# Altium PCB DM4K.pcbdoc (part 2 of 4)
Units mil, origin at the board's own origin, x right, y up, seen from the top; angles counter-clockwise.
Board outline 5262.35 x 2895 mil, 2 copper layers (Top Layer, Bottom Layer); 168 components, 255 nets, 1031 pads, 423 vias.
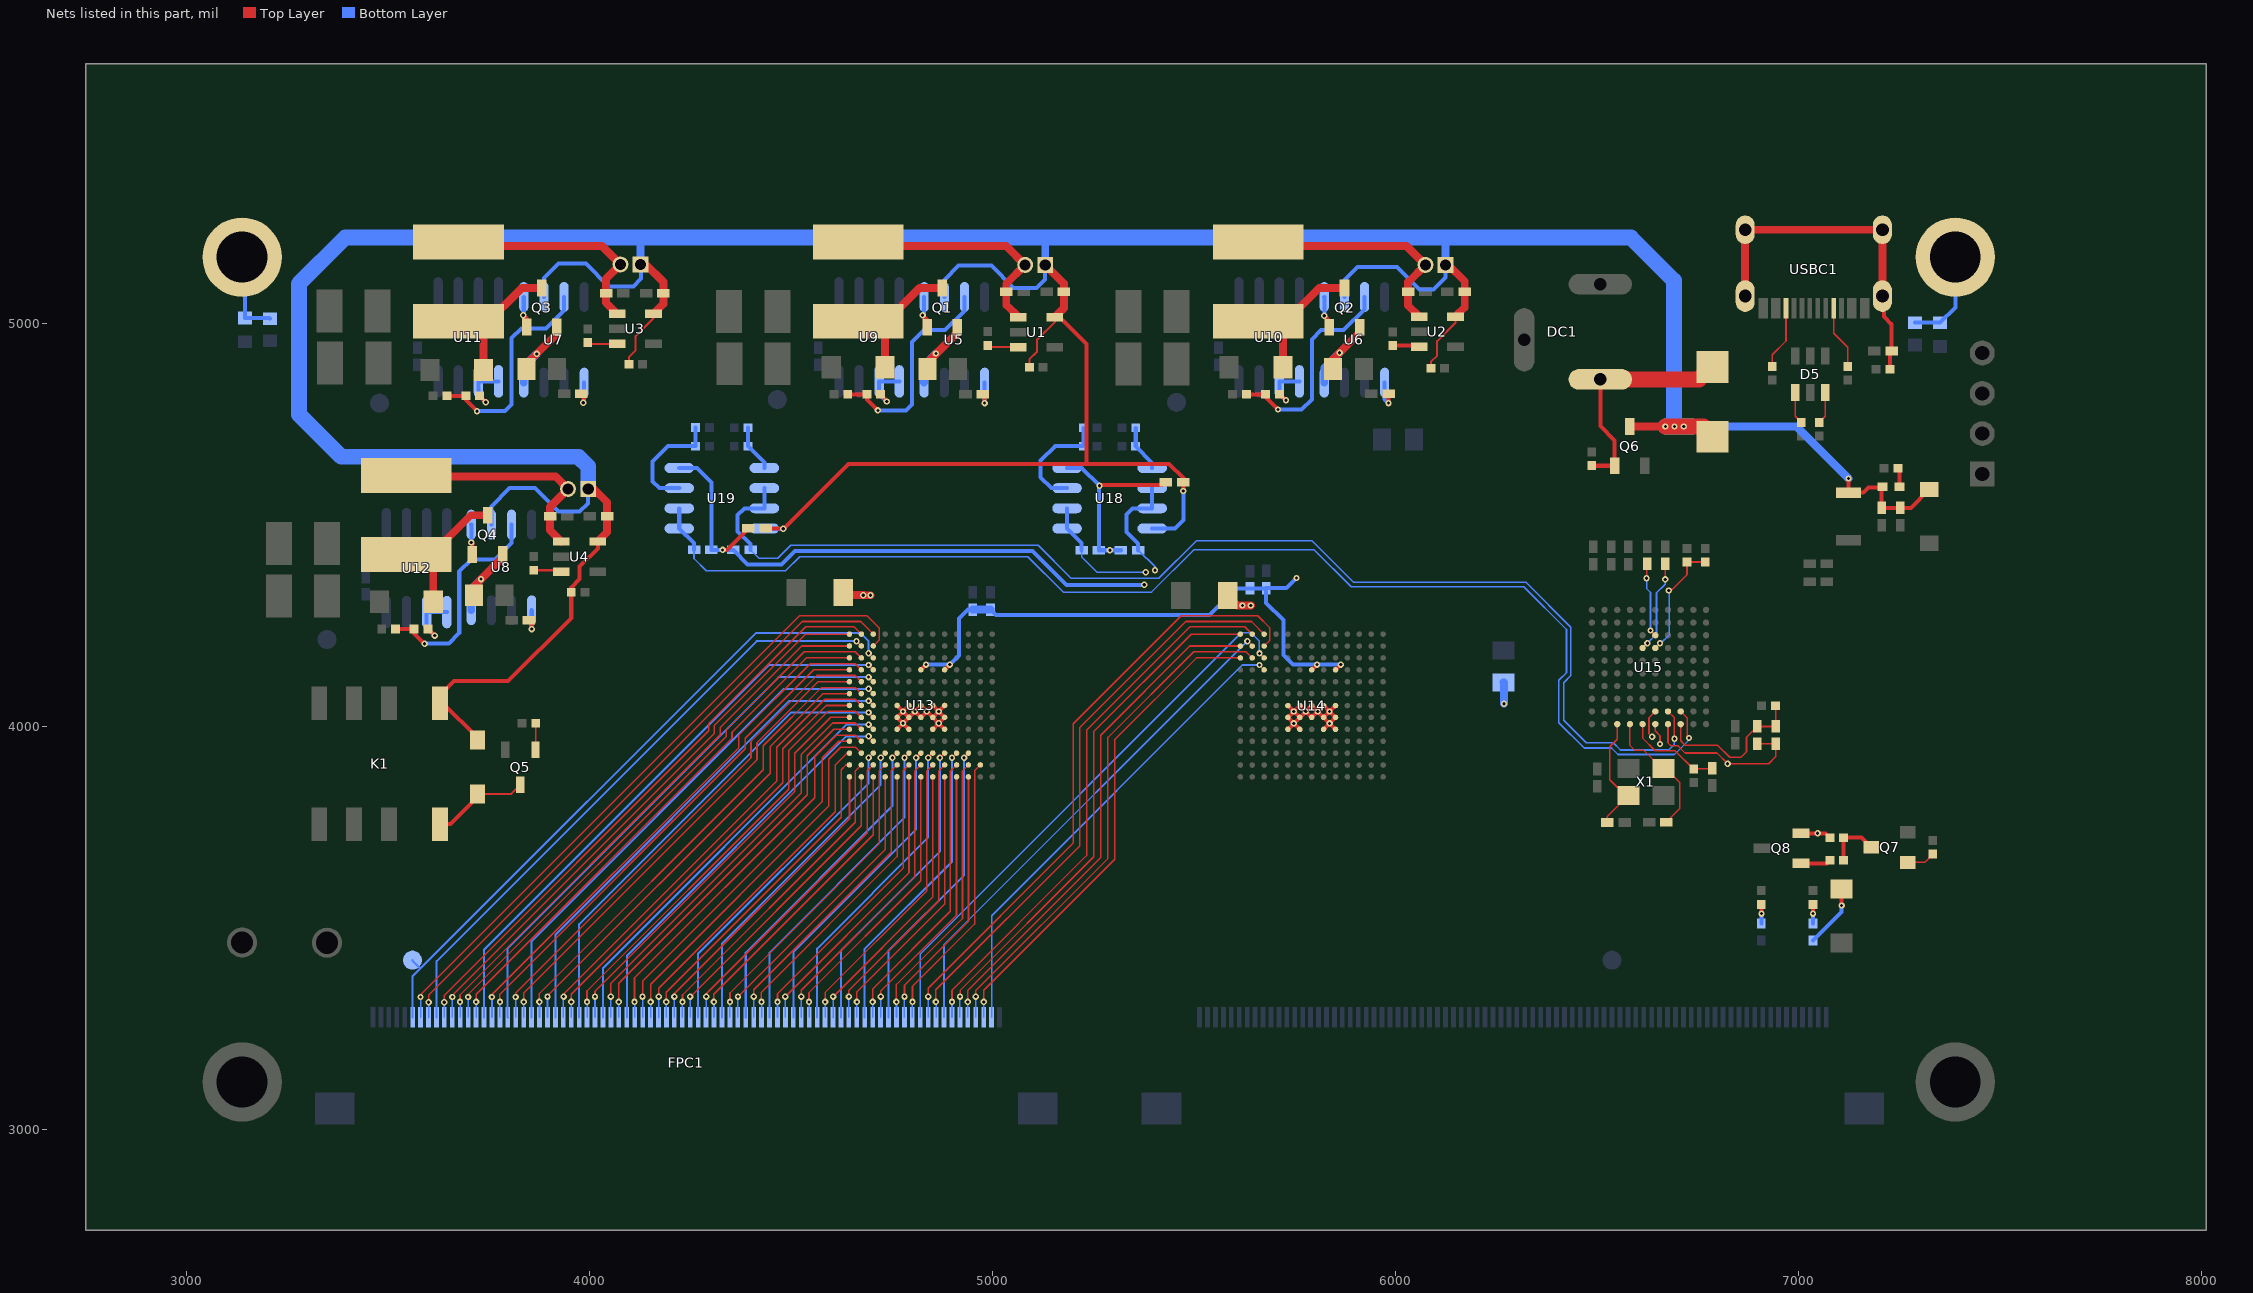
[diagram p2: the nets of this part, all layers, seen from the top]

## Via types
v1: diameter 15.75, hole 7.87, Top Layer to Bottom Layer, 258 vias
v2: diameter 15.75, hole 7.91, Top Layer to Bottom Layer, 165 vias

## Nets (pads, with @x,y where several pads share a name; then routed paths per layer and width w, separated by ;. In a path a pad name is that pad's centre, name@x,y a point inside that pad or via, vN(x,y) a via of type N, cw(c..) or ccw(c..) an arc to the next point about the centre after c; other vN are vias at no path point) (continued)
5V: C1.2 C2.2 C3.2 C4.2 C29.2 C30.2 C31.2 C32.2 C40.2 C41.2 C50.1 C51.1 D6.1 D7.1 D9.1 H1.1 H2.1 H3.1 H4.1 K1.1 LED1.2 Q6.3 Q8.2 R1.2 R2.2 R3.2 R4.2 R52.2 U1.5 U2.5 U3.5 U4.5 U5.2 U6.2 U7.2 U8.2 U13.K5 U13.K7 U14.K5 U14.K7 U16.3 U18.8 U19.8 | length 14952.9
  Top Layer w5: R3.2@4097.61,4899.15 4097.61,4916.92 4114.69,4934 4114.69,4969 4158.84,5013.16 U3.5@4158.84,5024.85 ; R1.2@5091.69,4892.55 5091.69,4911.72 5110.69,4930.71 5110.69,4960 5154.89,5004.21 U1.5@5154.89,5016.65 ; R2.2@6088.32,4889.78 6088.31,4905.41 6103.69,4920.78 6103.69,4957 6149.41,5002.72 U2.5@6149.41,5017.73
  Top Layer w10: D7.1@3722.02,3967.07 3722.02,3972.67 3636.68,4058.01 K1.1@3628.51,4058.01 3628.51,4077.83 3663.69,4113 3797.69,4113 3954.72,4270.04 R4.2@3954.72,4333.54 3954.72,4345.04 3975.69,4366 3975.69,4397 4020.5,4441.82 U4.5@4020.5,4459.52 ; C50.1@4437.27,4492.24 4482.92,4492.24 4642.69,4652 5233.99,4652 ; U13.K7@4822.38,4141.14 v1(4835.18,4153.94) ; U13.K5@4881.43,4141.14 v1(4894.23,4153.94) ; U1.5@5154.89,5016.65 5167.03,5016.65 5233.99,4949.7 5233.99,4652 ; v2(5473.69,4585) 5473.69,4598.82 5473.69,4617 5438.69,4652 5233.99,4652 ; U14.K7@5792.47,4140.99 5805.42,4153.94 v1(5805.64,4153.94) ; U14.K5@5851.52,4140.99 5864.48,4153.94 v1(5864.7,4153.94) ; Q8.2@7007.04,3735.4 v2(7047.98,3735.4) 7068,3735.4 R52.2@7078.65,3724.76 ; v1(7124.69,4616) 7124.69,4581.18 U16.3@7124.36,4580.85 7161.35,4580.85 7174.03,4593.53 LED1.2@7206.91,4593.53 ; LED1.2@7209.23,4595.84 LED1.2@7206.91,4593.53 ; D6.1@7325.08,4588.43 7279.91,4543.25 C40.2@7253.23,4543.25 7206.91,4543.25 LED1.2@7206.91,4593.53
  Top Layer w19.68: H4.1@3996.76,4589.94 4010.75,4589.94 4043.8,4556.88 C4.2@4043.8,4522.11 4043.8,4482.82 U4.5@4020.5,4459.52 ; H3.1@4126.87,5147.22 4139.42,5147.22 4183.35,5103.29 C3.2@4183.35,5075.29 4183.35,5049.36 U3.5@4158.84,5024.85 ; H1.1@5131.15,5146 5177.59,5099.56 C1.2@5177.59,5079.37 5177.59,5039.35 U1.5@5154.89,5016.65 ; H2.1@6124.69,5146 6131.6,5146 6172.31,5105.29 C2.2@6172.31,5079.48 6172.31,5040.63 U2.5@6149.41,5017.73 ; Q6.3@6581.52,4744.8 v2(6670.16,4744.8)
  Top Layer w39.37: v2(6670.16,4744.8) v2(6692.96,4744.8) v2(6715.79,4744.8) 6764.54,4744.8 D9.1@6786.94,4722.39
  Inner2 w19.68: v2(5754.69,4369) 5911.69,4369 6108.69,4566 6342.69,4566 6408.69,4632 6554.92,4632 6667.72,4744.8 v2(6692.96,4744.8) ; v2@7047.69,3736 7124.69,3813 v1(7124.69,4616)
  Bottom Layer w10: U8.2@3756.49,4501.41 3756.49,4546.81 3801.69,4592 3864.69,4592 3922.69,4534 3975.69,4534 3995.69,4554 3995.69,4588.86 H4.1@3996.76,4589.94 ; U7.2@3886.8,5066.4 3886.8,5113.11 3922.69,5149 3991.69,5149 4047.69,5093 4108.69,5093 4127.69,5112 4127.69,5146.4 H3.1@4126.87,5147.22 ; U19.8@4433.93,4492.01 4434.93,4491.01 v2(4480.69,4491) ; v1(4835.18,4153.94) v1(4894.23,4153.94) 4916.9,4176.53 4916.9,4268.13 4939.4,4290.63 C30.2@4950.6,4290.63 ; U5.2@4880.66,5066.4 4880.66,5108.57 4916.09,5144 4997.69,5144 5052.69,5089 5109.69,5089 5130.69,5110 5130.69,5145.53 H1.1@5131.15,5146 ; C29.2@4995.3,4290.63 5008.94,4277 5538.81,4277 5604.94,4343.13 C31.2@5639.32,4343.11 ; U18.8@5396.51,4492.01 5452.69,4492.01 5473.69,4513 v2(5473.69,4585) ; C31.2@5639.32,4343.11 5678.68,4343.11 C32.2@5679.18,4343.61 ; v2(5754.69,4369) 5729.29,4343.6 C32.2@5679.18,4343.61 5679.2,4307.48 5722,4264.68 5722,4177.53 5745.6,4153.93 v1(5805.64,4153.94) ; v1(5805.64,4153.94) v1(5864.7,4153.94) ; U6.2@5873.57,5066.4 5873.57,5108.57 5906,5141 6003.69,5141 6059.69,5085 6094.69,5085 6124.69,5115 H2.1@6124.69,5146
  Bottom Layer w19.68: H3.1@4126.87,5147.22 4126.87,5214 ; C30.2@4950.6,4290.63 C29.2@4995.3,4290.63 ; 5129.74,5214 5131.15,5212.59 H1.1@5131.15,5146 ; H2.1@6124.69,5146 6124.69,5214 ; 6736.85,4744.8 6995.89,4744.8 v1(7124.69,4616)
  Bottom Layer w39.37: H4.1@3996.76,4589.94 3996.76,4645.62 3972.38,4670 3383.69,4670 3278.69,4775 3278.69,5099 3393.69,5214 4126.87,5214 5129.74,5214 6124.69,5214 6584.69,5214 6691.69,5107 6691.69,4746.07 v2(6692.96,4744.8) ; v2(6670.16,4744.8) v2(6692.96,4744.8) ; 6736.85,4744.8 v2(6715.79,4744.8) v2(6692.96,4744.8)
$1N3951: R23.1 R24.2 U18.3 | length 283.9
  Bottom Layer w10: U18.3@5185.29,4592.01 5146.69,4592 5119.69,4619 5119.69,4660 5155.95,4696.26 R24.2@5225.57,4696.26 R23.1@5225.58,4741.54
$1N3952: R25.1 R26.2 U18.5 | length 117
  Bottom Layer w10: R25.1@5355.73,4741.66 5355.73,4696.8 R26.2@5355.19,4696.26 5396.51,4654.95 U18.5@5396.51,4642.01
$1N3965: R27.1 R28.2 U19.5 | length 117.4
  Bottom Layer w10: R28.2@4393.36,4696.27 4433.93,4655.69 U19.5@4433.93,4642.01 ; R28.2@4393.34,4696.28 R27.1@4393.34,4742.65
$1N3974: D1.1 L1.2 Q1.3 | length 348.2
  Top Layer w19.68: L1.2@4667.1,4996.22 L1.2@4733.81,4996.22 ; D1.1@4733.81,4891.89 L1.2@4733.81,4996.22 ; Q1.3@4868.69,5088.52 4819.2,5088.52 4733.81,5003.13 L1.2@4733.81,4996.22
$1N3982: C5.2 H1.2 L1.1 U1.1 | length 594.8
  Top Layer w19.68: L1.1@4667.1,5193.07 5034.08,5193.07 H1.2@5081.15,5146 5034.28,5099.13 C5.2@5034.28,5079.38 5034.28,5046.91 U1.1@5064.53,5016.65
$1N3985: R16.2 U9.5 U9.6 | length 131.7
  Top Layer w10: R16.2@4722.6,4824.72 4737.69,4809.64 v2(4737.69,4807)
  Bottom Layer w10: v2(4737.69,4807) 4719.05,4825.64 U9.6@4719.05,4856.97 U9.5@4769.05,4856.97
$1N3987: R13.1 R16.1 U5.3 | length 541.1
  Top Layer w10: R13.1@4640.92,4824.73 R16.1@4688.52,4824.72 4688.52,4812.16 v2(4715.69,4785)
  Bottom Layer w10: v2(4715.69,4785) 4785.69,4785 4800.69,4800 4800.69,4955 4829.69,4984 4882.69,4984 4930.66,5031.97 U5.3@4930.66,5066.4
$1N3989: Q1.1 U5.1 | length 81.6
  Top Layer w10: v2(4826.69,5021) 4838.29,5009.4 Q1.1@4838.29,4991.27
  Bottom Layer w10: v2(4826.69,5021) 4830.66,5024.97 U5.1@4830.66,5066.4
$1N3990: Q1.2 R9.1 U5.8 | length 218.5
  Top Layer w19.68: R9.1@4838.65,4887.73 4838.65,4903.96 4913.09,4978.4 Q1.2@4913.09,4991.27
  Bottom Layer w19.68: U5.8@4830.66,4853.88 4830.66,4896.97 v2(4859.69,4926)
$1N3991: C9.2 U5.5 | length 74.5
  Top Layer w10: C9.2@4976.14,4824.72 4980.66,4820.21 v2(4980.66,4803)
  Bottom Layer w10: v2(4980.66,4803) U5.5@4980.66,4853.88
$1N4002: C6.2 H2.2 L2.1 U2.1 | length 591.8
  Top Layer w19.68: L2.1@5659.61,5193.07 6027.62,5193.07 H2.2@6074.69,5146 6031.95,5103.26 C6.2@6031.95,5079.49 6031.95,5044.83 U2.1@6059.05,5017.73
$1N4009: R17.2 U10.5 U10.6 | length 126.7
  Top Layer w10: R17.2@5712.08,4824.89 5713.79,4824.89 v2(5728.69,4810)
  Bottom Layer w10: v2(5728.69,4810) 5711.95,4826.73 U10.6@5711.95,4856.97 U10.5@5761.95,4856.97
$1N4012: C10.2 U6.5 | length 78.1
  Top Layer w10: v2(5983.15,4803) C10.2@5983.14,4826.22
  Bottom Layer w10: U6.5@5973.57,4853.88 5973.57,4812.58 v2(5983.15,4803)
$1N4013: Q2.2 R10.1 U6.8 | length 220.6
  Top Layer w19.68: R10.1@5845.65,4887.73 5845.65,4911.96 v2(5861.69,4928) 5911.24,4977.56 Q2.2@5911.24,4991.27
  Bottom Layer w19.68: U6.8@5823.57,4853.88 5823.57,4889.88 v2(5861.69,4928)
$1N4014: Q2.1 U6.1 | length 80.5
  Top Layer w10: v2(5823.69,5020) 5836.44,5007.24 Q2.1@5836.44,4991.27
  Bottom Layer w10: U6.1@5823.57,5066.4 5823.69,5066.28 v2(5823.69,5020)
$1N4015: D2.1 L2.2 Q2.3 | length 359
  Top Layer w19.68: L2.2@5659.61,4996.22 L2.2@5719.47,4996.22 ; D2.1@5721.33,4891.89 5721.33,4994.35 L2.2@5719.47,4996.22 ; Q2.3@5873.84,5088.52 5811.2,5088.52 5721.33,4998.65 5721.33,4996.22 L2.2@5719.47,4996.22
$1N4016: R14.1 R17.1 U6.3 | length 534
  Top Layer w10: R14.1@5630.4,4824.9 R17.1@5678,4824.89 5678.01,4817.68 v2(5708.69,4787)
  Bottom Layer w10: v2(5708.69,4787) 5767.69,4787 5792.69,4812 5792.69,4961 5815.69,4984 5871.69,4984 5923.57,5035.88 U6.3@5923.57,5066.4
$1N4036: C11.2 U7.5 | length 74.7
  Top Layer w10: C11.2@3979.91,4826 3984.69,4821.23 v2(3984.69,4804)
  Bottom Layer w10: v2(3984.69,4804) 3986.8,4806.11 U7.5@3986.8,4853.88
$1N4037: Q3.2 R11.1 U7.8 | length 219.2
  Top Layer w19.68: R11.1@3843.65,4887.73 3843.65,4899.96 v2(3868.97,4925.28) 3919.09,4975.4 Q3.2@3919.09,4991.38
  Bottom Layer w19.68: U7.8@3836.8,4853.88 3836.8,4893.11 v2@3868.69,4925
$1N4038: Q3.1 U7.1 | length 79
  Top Layer w10: v2(3835.69,5021) 3844.29,5012.4 Q3.1@3844.29,4991.38
  Bottom Layer w10: v2(3835.69,5021) 3836.8,5022.11 U7.1@3836.8,5066.4
$1N4039: D3.1 L3.2 Q3.3 | length 353.1
  Top Layer w19.68: L3.2@3674.59,4996.22 L3.2@3737.43,4996.22 ; D3.1@3737.43,4885 L3.2@3737.43,4996.22 ; Q3.3@3878.18,5088.6 3832.28,5088.6 3739.9,4996.22 L3.2@3737.43,4996.22
$1N4058: R15.1 R18.1 U7.3 | length 545.4
  Top Layer w10: R15.1@3646.22,4821.02 R18.1@3693.16,4821.02 3693.17,4810.52 v2(3720.69,4783)
  Bottom Layer w10: v2(3720.69,4783) 3789.69,4783 3806.69,4800 3806.69,4964 3830.69,4988 3891.69,4988 3936.8,5033.11 U7.3@3936.8,5066.4
$1N4060: C7.2 H3.2 L3.1 U3.1 | length 569.9
  Top Layer w19.68: L3.1@3674.59,5193.07 4031.02,5193.07 H3.2@4076.87,5147.22 4041.02,5111.38 C7.2@4041.02,5075.3 4041.02,5052.31 U3.1@4068.48,5024.85
$1N4061: R18.2 U11.5 U11.6 | length 132
  Top Layer w10: R18.2@3727.24,4821.02 3727.25,4820.44 v2(3742.69,4805)
  Bottom Layer w10: v2(3742.69,4805) 3724.2,4823.49 U11.6@3724.2,4856.97 U11.5@3774.2,4856.97
$1N4062: R5.2 U1.3 | length 77.8
  Top Layer w5: R5.2@4988.68,4946.52 4993.35,4941.85 U1.3@5064.53,4941.85
$1N4065: R6.2 U2.3 | length 66.2
  Top Layer w10: R6.2@5994,4945.71 6056.27,4945.71 U2.3@6059.05,4942.93
$1N4067: R7.2 U3.3 | length 74.5
  Top Layer w5: R7.2@3995.2,4952.96 3998.11,4950.05 U3.3@4068.48,4950.05
$1N5947: C12.2 U8.5 | length 72.1
  Top Layer w10: C12.2@3849.58,4264.22 3856.69,4257.12 v2(3856.69,4242)
  Bottom Layer w10: U8.5@3856.49,4288.89 3856.69,4288.7 v2(3856.69,4242)
$1N5948: Q4.2 R12.1 U8.8 | length 218.1
  Top Layer w19.68: R12.1@3712.75,4326.12 3712.75,4348.06 v2(3730.8,4366.11) 3784.3,4419.61 Q4.2@3784.3,4427.42
  Bottom Layer w19.68: U8.8@3706.49,4288.89 3706.49,4341.81 v2@3730.69,4366
$1N5949: Q4.1 U8.1 | length 75.2
  Top Layer w10: v2(3706.69,4457) 3709.5,4454.19 Q4.1@3709.5,4427.42
  Bottom Layer w10: U8.1@3706.49,4501.41 3706.69,4501.22 v2(3706.69,4457)
$1N5950: D4.1 L4.2 Q4.3 | length 364.8
  Top Layer w19.68: L4.2@3545.27,4423.89 L4.2@3604.58,4423.89 ; D4.1@3612.2,4310.04 3612.2,4423.89 L4.2@3604.58,4423.89 ; Q4.3@3746.9,4524.67 3705.35,4524.67 L4.2@3604.58,4423.89
$1N5965: R19.1 R20.1 U8.3 | length 548.5
  Top Layer w10: R19.1@3518.47,4242.44 R19.1@3518.47,4242.44 R20.1@3564.73,4242.36 3564.74,4230.95 3589.69,4206 v2(3590.69,4206)
  Bottom Layer w10: v2(3590.69,4206) 3650.69,4206 3676.69,4232 3676.69,4385 3706.69,4415 3765.69,4415 3806.49,4455.81 U8.3@3806.49,4501.41
$1N5967: C8.2 H4.2 L4.1 U4.1 | length 574.8
  Top Layer w19.68: L4.1@3545.27,4620.74 3915.95,4620.74 H4.2@3946.76,4589.94 3902.02,4545.19 C8.2@3902.02,4522.12 3902.02,4487.67 U4.1@3930.14,4459.52
$1N5968: R20.2 U12.5 U12.6 | length 142.4
  Top Layer w10: R20.2@3598.81,4242.36 v2@3617.18,4224
  Bottom Layer w10: v2(3615.69,4226) 3595.87,4245.82 U12.6@3595.87,4284.24 U12.5@3645.87,4284.24
$1N5970: R8.2 U4.3 | length 70.1
  Top Layer w5: R8.2@3861.45,4388.19 3926.67,4388.19 U4.3@3930.14,4384.72
$1N7196: R29.1 R30.2 U19.3 | length 290.7
  Bottom Layer w10: U19.3@4222.71,4592.01 4173.68,4592.01 4156.69,4609 4156.69,4658 4195.12,4696.44 R30.2@4263.28,4696.44 R29.1@4263.29,4742.53
$2N19: R31.1 U13.E5 U13.E6 U13.E8 U13.E9 U13.F5 U13.F6 U13.F7 U13.F8 U13.F9 U13.G5 U13.G6 U13.G7 U13.G8 U13.G9 | length 1045.6
  Top Layer w10: U13.G9@4763.32,4052.56 v1(4778.11,4037.77) ; U13.E9@4763.32,3993.51 v1(4778.05,4008.28) ; v1(4778.05,4008.28) U13.F9@4763.32,4023.03 v1(4778.11,4037.77) ; v1(4778.11,4037.77) U13.F8@4792.85,4023.03 ; U13.E8@4792.8,3993.53 v1(4778.05,4008.28) ; v1(4807.58,4037.76) U13.F8@4792.85,4023.03 ; v1(4837.2,4037.85) U13.G6@4851.91,4052.56 v1@4866.67,4037.8 ; U13.E6@4851.91,3993.51 v1@4866.67,4008.27 ; v1(4866.63,4037.76) U13.F6@4851.91,4023.03 ; U13.E5@4881.43,3993.51 v1@4866.67,4008.27 ; U13.G5@4881.43,4052.56 v1@4866.67,4037.8 ; v1(4778.05,4008.28) U13.F8@4792.85,4023.03 ; v1(4778.11,4037.77) U13.G8@4792.85,4052.56 v1(4807.58,4037.76) ; v1(4807.58,4037.76) U13.G7@4822.38,4052.56 v1@4837.15,4037.8 ; v1(4807.58,4037.76) U13.F7@4822.38,4023.03 v1@4837.15,4037.8 ; v1@4837.15,4037.8 U13.F6@4851.91,4023.03 ; U13.F6@4851.91,4023.03 v1(4866.6,4008.34) v1@4866.67,4008.27 ; v1@4866.67,4008.27 U13.F5@4881.43,4023.03 v1@4866.67,4037.8
  Top Layer w19.68: R31.1@4641.4,4326.23 v1@4679.5,4326.23 ; v1(4679.55,4326.18) v1(4697.38,4326.18)
  Inner2 w19.68: v1(4679.55,4326.18) v1(4697.38,4326.18) ; v1(4697.38,4326.18) 4721,4302.53 4721,4091.93 4775.2,4037.73 v1@4778.1,4037.73 ; v1@4778.1,4008.23 v1@4778.1,4037.73 ; v1(4866.6,4008.34) v1@4866.6,4037.73 ; v1(4866.63,4037.76) 4837.2,4037.76 v1(4807.58,4037.76) v1@4778.1,4037.73
$2N20: R32.1 U14.E5 U14.E6 U14.E8 U14.E9 U14.F5 U14.F6 U14.F7 U14.F8 U14.F9 U14.G5 U14.G6 U14.G7 U14.G8 U14.G9 | length 1067.7
  Top Layer w10: U14.E9@5733.4,3993.33 v1@5748.15,4008.08 ; U14.F9@5733.4,4022.83 v1(5748.06,4008.17) v1@5748.15,4008.08 ; U14.F9@5733.41,4022.88 v1@5748.18,4037.65 ; U14.G9@5733.41,4052.41 v1(5748.07,4037.75) v1@5748.18,4037.65 ; U14.E8@5762.9,3993.33 v1@5748.15,4008.08 ; U14.F8@5762.9,4022.83 v1@5748.15,4008.08 ; v1(5777.65,4037.69) U14.G8@5762.94,4052.41 v1@5748.18,4037.65 ; v1(5807.28,4037.69) U14.G6@5822,4052.41 ; U14.E6@5822,3993.36 v1(5836.81,4008.07) ; U14.F6@5822,4022.88 v1@5807.24,4037.65 ; U14.G6@5822,4052.41 v1(5836.78,4037.6) ; v1(5836.81,4008.07) U14.E5@5851.52,3993.36 ; v1(5836.78,4037.6) 5851.49,4022.85 v1(5836.81,4008.07) ; U14.G5@5851.52,4052.41 v1(5836.78,4037.6) ; v1@5748.18,4037.65 U14.F8@5762.94,4022.88 v1@5777.7,4037.64 ; v1@5777.71,4037.65 U14.G7@5792.47,4052.41 v1@5807.24,4037.65 ; v1@5777.71,4037.65 U14.F7@5792.47,4022.88 v1@5807.24,4037.65 ; v1(5836.81,4008.07) U14.F6@5822,4022.88 v1(5836.78,4037.6)
  Top Layer w19.68: R32.1@5572.5,4330.13 5578.3,4330.13 5607.8,4300.63 v1(5620.34,4300.59) ; v1(5620.34,4300.59) v1(5641.28,4300.59)
  Inner2 w19.68: v1(5620.34,4300.59) v1(5641.28,4300.59) ; v1(5641.28,4300.59) 5705.3,4236.63 5705.3,4063.43 5730.9,4037.73 v1@5748.1,4037.73 ; v1@5748.1,4008.13 v1@5748.1,4037.73 ; v1@5836.8,4008.03 v1(5836.78,4037.6) v1(5807.28,4037.69) v1(5777.65,4037.69) v1@5748.1,4037.73
$4N85: C44.1 U15.E7 | length 232.2
  Top Layer w4.02: U15.E7@6613.72,4195.27 v1(6625.53,4207.09) ; v1@6669.8,4365.53 6670.1,4365.83 C44.1@6670.06,4404.13
  Bottom Layer w4.02: v1(6625.53,4207.09) 6648.2,4229.73 6648.2,4332.13 6669.8,4353.73 v1@6669.8,4365.53
  other v1: 6669.82,4365.55
$4N112: C35.1 U15.D1 X1.3 | length 327.2
  Top Layer w4.02: U15.D1@6582.23,4006.3 6582.2,3953.48 6594.69,3941 6616.99,3941 6661.7,3896.23 6665.3,3896.23 6671.3,3896.33 6706.2,3861.43 6706.2,3796.83 C35.1@6672.58,3763.2
$4N113: C34.1 U15.C1 X1.1 | length 297.3
  Top Layer w4.02: C34.1@6526.31,3762.2 6526.3,3776.93 X1.1@6578.71,3829.33 6571.2,3829.33 6532,3868.53 6532,3950.13 6550.7,3968.83 U15.C1@6550.73,4006.3
$4N156: C45.2 R42.1 U15.E1 | length 239.9
  Top Layer w4.02: U15.E1@6613.72,4006.3 6613.7,3971.98 6645.35,3940.33 6694.35,3940.33 6739.25,3895.43 6785.5,3895.43 C45.2@6787,3896.83
$4N189: R39.2 R40.2 U15.F7 | length 300.2
  Top Layer w4.02: U15.F7@6645.22,4195.27 v1(6657.02,4207.09) ; v1(6678.68,4337.99) 6684.6,4338.03 6723.9,4377.33 R40.2@6723.9,4398.73 ; R40.2@6723.9,4408.53 R40.2@6723.9,4398.73 ; R39.2@6769.2,4408.53 6733.7,4408.53 R40.2@6723.9,4398.73
  Bottom Layer w4.02: v1(6657.02,4207.09) 6659,4207.13 6679.7,4227.73 v1@6679.7,4338.03
$4N624: C36.1 C38.1 R38.2 U15.H1 | length 398.5
  Top Layer w4.02: U15.H1@6708.21,4006.3 6708.2,3964.75 6718.99,3954 6799.69,3954 6829.69,3924 6857.69,3924 6871.69,3938 6871.69,3974.04 C36.1@6898.09,4000.45 C38.1@6943.78,4000.45 6943.78,4051.49 R38.2@6943.28,4052
$4N715: C42.1 U15.F8 | length 187
  Top Layer w4.02: v1(6623.56,4368.5) 6623.6,4402.33 C42.1@6625.42,4404.13 ; v1(6633.4,4238.58) U15.F8@6645.22,4226.77
  Bottom Layer w4.02: v1(6623.56,4368.5) 6623.56,4342.91 6633.41,4333.07 v1(6633.4,4238.58)
$4N742: LED1.1 R41.2 | length 47
  Top Layer w10: R41.2@7247.45,4641.12 7251.61,4636.96 LED1.1@7251.61,4595.84
$4N2275: R35.2 USBC1.A5 | length 158.4
  Top Layer w4.02: USBC1.A5@7087.84,5038.41 7087.84,4976.3 7122.63,4941.51 R35.2@7122.63,4894.4
$4N2276: R33.1 USBC1.B5 | length 158.1
  Top Layer w4.02: R33.1@6935.61,4894.4 6935.61,4922.93 6969.73,4957.04 USBC1.B5@6969.73,5038.41
$4N2286: D5.1 R36.1 | length 80.3
  Top Layer w4.02: D5.1@6992.37,4829.3 6992.37,4770.55 R36.1@7007.61,4755.31
$4N2287: D5.3 R37.1 | length 80.3
  Top Layer w4.02: R37.1@7051.9,4755.31 7067.17,4770.58 D5.3@7067.17,4829.3
$4N2295: C33.2 R34.1 USBC1.0 USBC1.1 USBC1.2 USBC1.3 | length 862.6
  Top Layer w10: USBC1.0@7208.91,5068.66 7212.69,5064.89 7212.69,5018 7231.98,4998.71 C33.2@7231.98,4932.41 7227.57,4928 R34.1@7227.57,4887.12
  Top Layer w19.68: USBC1.1@6868.35,5068.66 USBC1.2@6868.35,5233.22 USBC1.3@7208.91,5233.22 USBC1.0@7208.91,5068.66
$4N4317: D9.2 DC1.4 Q6.1 R46.1 | length 577.5
  Top Layer w10: R46.1@6487.74,4647.67 6487.87,4647.55 Q6.1@6544.12,4647.55 6544.12,4710.56 6508.79,4745.89 DC1.4@6508.79,4861.9
  Top Layer w39.37: DC1.4@6508.79,4861.9 6753.23,4861.9 D9.2@6786.94,4895.61
$4N5508: C52.2 pad.83@7389.76,5165.35 R47.2 | length 240.5
  Bottom Layer w10: C52.2@7289.76,5002.56 7351.62,5002.56 R47.2@7351.72,5002.66 7389.76,5040.71 pad.83@7389.76,5165.35
$4N5519: C53.2 pad.83@3137.8,5165.35 R48.2 | length 216.3
  Bottom Layer w10: pad.83@3137.8,5165.35 3145.13,5158.02 R48.2@3145.13,5014.45 3204.98,5014.45 C53.2@3206.78,5012.66
$4N6547: Q7.3 R52.1 R53.1 | length 135.4
  Top Layer w10: R53.1@7112.73,3667.95 R52.1@7112.73,3724.76 7157,3724.76 Q7.3@7181.29,3700.47
$4N6617: Q8.1 R53.2 | length 74.7
  Top Layer w10: Q8.1@7007.04,3660.6 7071.3,3660.6 R53.2@7078.65,3667.95
$4N6656: Q7.1 R54.2 | length 70.7
  Top Layer w4.02: Q7.1@7271.84,3663.07 7313.73,3663.07 R54.2@7334.08,3683.44
$5N1757: D8.1 LED3.1 | length 157.7
  Top Layer w10: D8.1@7107.26,3596.93 7107.69,3596.51 v2(7107.69,3556)
  Bottom Layer w10: LED3.1@7036.69,3468.81 7107.69,3539.81 v2(7107.69,3556)
$5N21602: LED2.2 R43.2 | length 47.8
  Top Layer w10: v2(6908.69,3536) R43.2@6908.69,3558.96
  Bottom Layer w10: LED2.2@6908.69,3511.19 v2(6908.69,3536)
$5N21634: LED3.2 R44.2 | length 47.8
  Top Layer w10: v2(7036.69,3536) R44.2@7036.69,3558.96
  Bottom Layer w10: LED3.2@7036.69,3511.19 v2(7036.69,3536)
$5N29071: D7.2 K1.8 Q5.3 | length 245.2
  Top Layer w5: D7.2@3722.02,3833.21 3805.84,3833.21 Q5.3@3828.56,3855.93
  Top Layer w10: K1.8@3628.51,3758.01 3654.69,3758.01 3722.02,3825.33 D7.2@3722.02,3833.21
$5N29265: Q5.1 R45.2 | length 65.6
  Top Layer w4.02: Q5.1@3865.96,3942.65 3866.56,3943.25 R45.2@3866.56,4008
A1: FPC1.75 T5.1 U13.L11 | length 1670.1
  Top Layer w4.02: v1(4692.69,4182) 4704.01,4170.67 U13.L11@4704.27,4170.67
  Bottom Layer w5: T5.1@3560.61,3420.48 3560.61,3419.43 3580.36,3399.68 ; FPC1.75@3561.03,3278.54 3560.69,3278.89 3560.69,3380 3580.36,3399.68 ; v1(4692.69,4182) 4692.69,4212 4672.69,4232 4412.69,4232 3580.36,3399.68
A2: FPC1.74 U13.M11 | length 1646.9
  Top Layer w4.02: v1(3580.69,3329) 3580.69,3334.68 4521.01,4275 4688.82,4275 4718.69,4245.13 4718.69,4214.61 U13.M11@4704.27,4200.2
  Bottom Layer w4.02: FPC1.74@3580.71,3278.54 v1(3580.69,3329)
A3: FPC1.73 U13.N11 | length 1556.1
  Top Layer w4.02: v1(3600.69,3316) 3600.69,3334 4527.69,4261 4673.01,4261 U13.N11@4704.27,4229.73
  Bottom Layer w4.02: FPC1.73@3600.4,3278.54 3600.69,3278.83 v1(3600.69,3316)
A4: FPC1.72 U13.M12 | length 1527.7
  Top Layer w4.02: v1(4662.69,4212) 4662.95,4212 U13.M12@4674.74,4200.2 U13.M12@4674.48,4200.2
  Bottom Layer w5: FPC1.72@3620.08,3278.54 3620.69,3279.15 3620.69,3417.75 4414.93,4212 v1(4662.69,4212)
A5: FPC1.71 U13.N12 | length 1486.7
  Top Layer w4.02: v1(3639.69,3316) 3639.69,3333 4296.3,3989.62 4296.3,4007.62 4536.69,4248 4656.48,4248 U13.N12@4674.74,4229.73
  Bottom Layer w4.02: v1(3639.69,3316) 3639.77,3315.92 FPC1.71@3639.77,3278.54
A6: FPC1.70 U13.N13 | length 1423.2
  Top Layer w4.02: v1(3659.69,3329) 3659.69,3333 4309.13,3982.45 4309.13,4002.45 4536.42,4229.73 U13.N13@4645.21,4229.73
  Bottom Layer w4.02: FPC1.70@3659.45,3278.54 3659.45,3328.76 v1(3659.69,3329)
A7: FPC1.69 U13.M13 | length 1391.5
  Top Layer w4.02: v1(3678.69,3317) 3678.69,3334 4324.77,3980.09 4324.77,3998.09 4526.89,4200.2 U13.M13@4645.21,4200.2
  Bottom Layer w4.02: v1(3678.69,3317) 3679.14,3316.55 FPC1.69@3679.14,3278.54
A8: FPC1.68 U13.L12 | length 1401.4
  Top Layer w4.02: v1(3698.69,3329) 3698.69,3335 4339.77,3976.08 4339.77,3993.08 4532.69,4186 4659.42,4186 U13.L12@4674.74,4170.67
  Bottom Layer w4.02: v1(3698.69,3329) 3698.82,3328.87 FPC1.68@3698.82,3278.54
A9: FPC1.67 U13.L13 | length 1338.6
  Top Layer w4.02: v1(3718.69,3317) 3718.69,3336 4353.78,3971.1 4353.78,3986.1 4538.36,4170.67 U13.L13@4645.21,4170.67
  Bottom Layer w4.02: FPC1.67@3718.51,3278.54 3718.69,3278.72 v1(3718.69,3317)
A10: FPC1.66 U13.K11 | length 1431.8
  Top Layer w4.02: v1(4692.69,4153) 4692.69,4152.73 U13.K11@4704.27,4141.14
  Bottom Layer w5: FPC1.66@3738.19,3278.54 3738.19,3446.5 4444.69,4153 v1(4692.69,4153)
A11: FPC1.65 U13.K12 | length 1338
  Top Layer w4.02: v1(3757.69,3329) 3757.69,3334.68 4370.79,3947.79 4370.79,3979.11 4547.69,4156 4659.89,4156 U13.K12@4674.74,4141.14
  Bottom Layer w4.02: v1(3757.69,3329) 3757.88,3328.81 FPC1.65@3757.88,3278.54
A12: FPC1.64 U13.K13 | length 1273.8
  Top Layer w4.02: v1(3777.69,3317) 3777.69,3335.7 4386.86,3944.87 4386.86,3971.17 4556.83,4141.14 U13.K13@4645.21,4141.14
  Bottom Layer w4.02: FPC1.64@3777.56,3278.54 3777.56,3316.87 v1(3777.69,3317)
A13: FPC1.63 U13.J11 | length 1363
  Top Layer w4.02: v1(4692.69,4123) 4692.9,4123 U13.J11@4704.27,4111.62 U13.J11@4704.06,4111.62
  Bottom Layer w5: FPC1.63@3797.25,3278.54 3796.69,3279.11 3796.69,3450 4469.69,4123 v1(4692.69,4123)
A14: FPC1.62 U13.J12 | length 1274.8
  Top Layer w4.02: v1(3816.69,3329) 3816.69,3339 4400.69,3923 4400.69,3963 4564.69,4127 4659.37,4127 U13.J12@4674.74,4111.62
  Bottom Layer w4.02: v1(3816.69,3329) 3816.93,3328.76 FPC1.62@3816.93,3278.54
A15: FPC1.61 U13.J13 | length 1213.6
  Top Layer w4.02: v1(3836.69,3317) 3836.69,3339 4415.69,3918 4415.69,3960 4567.31,4111.62 U13.J13@4645.21,4111.62
  Bottom Layer w4.02: FPC1.61@3836.69,3278.61 v1(3836.69,3317)
A16: FPC1.60 U13.H11 | length 1301.9
  Top Layer w4.02: v1(4692.69,4094) 4692.69,4093.68 U13.H11@4704.27,4082.09 U13.H11@4704.27,4082.41
  Bottom Layer w5: FPC1.60@3856.3,3278.54 3856.3,3467.61 4482.69,4094 v1(4692.69,4094)
A17: FPC1.59 U13.H12 | length 1213.8
  Top Layer w4.02: v1(3875.69,3317) 3875.69,3337.57 4431.44,3893.32 4431.44,3952.75 4575.69,4097 4659.84,4097 U13.H12@4674.74,4082.09
  Bottom Layer w4.02: v1(3875.69,3317) 3875.99,3316.7 FPC1.59@3875.99,3278.54
A18: FPC1.58 U13.H13 | length 1152.3
  Top Layer w4.02: v1(3895.69,3330) 3895.69,3332 4448.37,3884.69 4448.37,3950.69 4579.78,4082.09 U13.H13@4645.21,4082.09
  Bottom Layer w4.02: FPC1.58@3895.67,3278.54 v1(3895.69,3330)
A19: FPC1.57 U13.G11 | length 1239.3
  Top Layer w4.02: v1@4692.69,4064 v1(4692.84,4064) U13.G11@4704.27,4052.56
  Bottom Layer w5: FPC1.57@3915.36,3278.54 3915.69,3278.87 3915.69,3484 4495.69,4064 v1(4692.84,4064)
A20: FPC1.56 U13.G12 | length 1155.6
  Top Layer w4.02: v1(3935.69,3330) 3935.69,3336 4464.69,3865 4464.69,3949 4583.69,4068 4659.31,4068 U13.G12@4674.74,4052.56
  Bottom Layer w4.02: FPC1.56@3935.04,3278.54 3935.04,3329.35 v1(3935.69,3330)
A21: FPC1.55 U13.G13 | length 1094
  Top Layer w4.02: v1(3954.69,3317) 3954.69,3336 4479.69,3861 4479.69,3945 4587.25,4052.56 U13.G13@4645.21,4052.56
  Bottom Layer w4.02: FPC1.55@3954.73,3278.54 v1(3954.69,3317)
A22: FPC1.54 U13.F11 | length 1183.8
  Top Layer w4.02: v1(4692.69,4035) 4692.69,4034.62 U13.F11@4704.27,4023.03
  Bottom Layer w5: FPC1.54@3974.41,3278.54 3974.41,3509.72 4499.69,4035 v1(4692.69,4035)
A23: FPC1.53 U13.F12 | length 1096.6
  Top Layer w4.02: v1(3993.69,3317) 3993.69,3344 4494.69,3845 4494.69,3941 4591.69,4038 4659.78,4038 U13.F12@4674.74,4023.03
  Bottom Layer w4.02: v1(3993.69,3317) 3994.1,3316.59 FPC1.53@3994.1,3278.54
A24: FPC1.52 U13.F13 | length 1033.4
  Top Layer w4.02: v1(4013.69,3330) 4013.69,3343 4509.69,3839 4509.69,3934 4598.72,4023.03 U13.F13@4645.21,4023.03
  Bottom Layer w4.02: v1(4013.69,3330) 4013.78,3329.91 FPC1.52@4013.78,3278.54
A25: FPC1.51 U13.E11 | length 1048.1
  Top Layer w4.02: v1(4692.69,4005) 4692.79,4005 U13.E11@4704.27,3993.51
  Bottom Layer w5: FPC1.51@4033.47,3278.54 4033.47,3400.78 4637.69,4005 v1(4692.69,4005)
A26: FPC1.50 U13.E12 | length 1036.4
  Top Layer w4.02: v1(4052.69,3330) 4052.69,3362.32 4525.69,3835.32 4525.69,3931 4603.69,4009 4659.26,4009 U13.E12@4674.74,3993.51
  Bottom Layer w4.02: v1(4052.69,3330) 4053.15,3329.54 FPC1.50@4053.15,3278.54
A27: FPC1.49 U13.E13 | length 975
  Top Layer w4.02: v1(4072.69,3317) 4072.69,3363 4540.69,3831 4540.69,3928 4606.2,3993.51 U13.E13@4645.21,3993.51
  Bottom Layer w4.02: v1(4072.69,3317) 4072.84,3316.85 FPC1.49@4072.84,3278.54
A28: FPC1.48 U13.D11 | length 995.5
  Top Layer w4.02: v1(4692.69,3976) 4692.69,3975.57 U13.D11@4704.27,3963.98 U13.D11@4704.27,3964.41
  Bottom Layer w5: FPC1.48@4092.52,3278.54 4092.52,3430.85 4637.67,3976 v1(4692.69,3976)
A29: FPC1.47 U13.D12 | length 976.5
  Top Layer w4.02: v1(4111.69,3317) 4111.69,3376.73 4558.69,3823.73 4558.69,3925 4612.69,3979 4659.73,3979 U13.D12@4674.74,3963.98
  Bottom Layer w4.02: v1(4111.69,3317) 4112.21,3316.48 FPC1.47@4112.21,3278.54
A30: FPC1.46 U13.D13 | length 913.8
  Top Layer w4.02: v1(4131.69,3330) 4131.69,3368.39 4577.69,3814.39 4577.69,3923 4618.67,3963.98 U13.D13@4645.21,3963.98
  Bottom Layer w4.02: v1(4131.69,3330) 4131.89,3329.8 FPC1.46@4131.89,3278.54
A31: FPC1.45 U13.C12 | length 923.1
  Top Layer w4.02: v1(4151.69,3317) 4151.69,3361 4593.69,3803 4593.69,3919 4623.69,3949 4660.2,3949 U13.C12@4674.74,3934.45
  Bottom Layer w4.02: FPC1.45@4151.58,3278.54 4151.69,3278.65 v1(4151.69,3317)
A32: FPC1.44 U13.C13 | length 862.5
  Top Layer w4.02: v1(4171.69,3330) 4171.69,3351 ; 4171.69,3344.09 4171.69,3351 ; U13.C13@4645.21,3934.45 4639.53,3934.45 4609.69,3904.6 4609.69,3789 4171.69,3351
  Bottom Layer w4.02: FPC1.44@4171.26,3278.54 4171.69,3278.97 v1(4171.69,3330)
A33: FPC1.43 U13.B13 | length 819.8
  Top Layer w4.02: v1(4190.69,3317) 4190.69,3341 4624.69,3775 4624.69,3893 4636.61,3904.92 U13.B13@4645.21,3904.92
  Bottom Layer w4.02: v1(4190.69,3317) 4190.95,3316.74 FPC1.43@4190.95,3278.54
A34: FPC1.42 U13.A13 | length 776.8
  Top Layer w4.02: v1(4210.69,3330) 4210.69,3337 4645.21,3771.53 U13.A13@4645.21,3875.4
  Bottom Layer w4.02: FPC1.42@4210.63,3278.54 v1@4210.63,3329.94
A35: FPC1.41 U13.B12 | length 810.5
  Top Layer w4.02: v1(4230.69,3317) 4230.69,3334 4659.69,3763 4659.69,3889.86 U13.B12@4674.74,3904.92
  Bottom Layer w4.02: FPC1.41@4230.32,3278.54 4230.32,3316.63 v1(4230.69,3317)
A36: FPC1.40 U13.A12 | length 773.6
  Top Layer w4.02: v1(4249.69,3330) 4250.69,3330 4674.74,3754.06 U13.A12@4674.74,3875.4
  Bottom Layer w4.02: v1(4249.69,3330) 4250,3329.69 FPC1.40@4250,3278.54
A37: FPC1.39 U13.C11 | length 836
  Top Layer w4.02: v1(4692.69,3923) 4704.14,3934.45 U13.C11@4704.27,3934.45
  Bottom Layer w5: FPC1.39@4269.69,3278.54 4269.69,3437 4692.69,3860 v1(4692.69,3923)
A38: FPC1.38 U13.B11 | length 798.2
  Top Layer w4.02: v1(4289.69,3330) 4289.69,3337 4689.69,3737 4689.69,3890.33 U13.B11@4704.27,3904.92
  Bottom Layer w4.02: FPC1.38@4289.36,3278.54 4289.69,3278.87 v1(4289.69,3330)
A39: FPC1.37 U13.A11 | length 760.9
  Top Layer w4.02: v1(4308.69,3317) 4308.69,3336 4704.27,3731.59 U13.A11@4704.27,3875.4
  Bottom Layer w4.02: v1(4308.69,3317) 4309.06,3316.63 FPC1.37@4309.06,3278.54
A40: FPC1.36 U13.C10 | length 824
  Top Layer w4.02: v1(4722.69,3923) 4722.69,3923.33 U13.C10@4733.8,3934.45 U13.C10@4733.8,3934.12
  Bottom Layer w5: FPC1.36@4328.73,3278.54 4328.73,3461.68 4722.69,3855.63 v1(4722.69,3923)
A41: FPC1.35 U13.B10 | length 786
  Top Layer w4.02: v1(4348.69,3317) 4348.69,3339 4718.69,3709 4718.69,3889.8 U13.B10@4733.8,3904.92
  Bottom Layer w4.02: FPC1.35@4348.43,3278.54 4348.43,3316.74 v1(4348.69,3317)
A42: FPC1.34 U13.A10 | length 748.3
  Top Layer w4.02: v1(4368.69,3330) 4733.8,3695.12 U13.A10@4733.8,3875.4
  Bottom Layer w4.02: FPC1.34@4368.1,3278.54 4368.1,3329.41 v1(4368.69,3330)
A43: FPC1.33 U13.C9 | length 811.6
  Top Layer w4.02: v1(4751.69,3923) 4751.87,3923 U13.C9@4763.32,3934.45
  Bottom Layer w5: FPC1.33@4387.8,3278.54 4387.8,3439.11 4751.69,3803 v1(4751.69,3923)
A44: FPC1.32 U13.B9 | length 773.8
  Top Layer w4.02: v1(4407.69,3330) 4407.69,3347 4748.69,3688 4748.69,3890.28 U13.B9@4763.32,3904.92
  Bottom Layer w4.02: FPC1.32@4407.47,3278.54 4407.47,3329.78 v1(4407.69,3330)
A45: FPC1.31 U13.A9 | length 736.5
  Top Layer w4.02: v1(4426.69,3317) 4426.69,3341 4763.32,3677.64 U13.A9@4763.32,3875.4
  Bottom Layer w4.02: v1(4426.69,3317) 4427.17,3316.52 FPC1.31@4427.17,3278.54
A46: FPC1.30 U13.C8 | length 799.2
  Top Layer w4.02: v1(4781.69,3923) 4792.85,3934.17 U13.C8@4792.85,3934.45
  Bottom Layer w5: FPC1.30@4446.84,3278.54 4446.84,3439.15 4781.69,3774 v1(4781.69,3923)
A47: FPC1.29 U13.B8 | length 761.5
  Top Layer w4.02: v1(4466.69,3317) 4466.69,3337 4778.69,3649 4778.69,3890.75 U13.B8@4792.85,3904.92
  Bottom Layer w4.02: FPC1.29@4466.54,3278.54 4466.69,3278.69 v1(4466.69,3317)
A48: FPC1.28 U13.A8 | length 724.3
  Top Layer w4.02: v1(4485.69,3330) 4792.85,3637.17 U13.A8@4792.85,3875.4
  Bottom Layer w4.02: v1(4485.69,3330) 4486.21,3329.48 FPC1.28@4486.21,3278.54
A49: FPC1.27 U13.C7 | length 787.1
  Top Layer w4.02: v1(4810.69,3923) 4810.93,3923 U13.C7@4822.38,3934.45
  Bottom Layer w5: FPC1.27@4505.91,3278.54 4505.91,3440.22 4810.69,3745 v1(4810.69,3923)
A50: FPC1.26 U13.B7 | length 749.3
  Top Layer w4.02: v1(4525.69,3330) 4525.69,3346 4807.69,3628 4807.69,3890.22 U13.B7@4822.38,3904.92
  Bottom Layer w4.02: FPC1.26@4525.58,3278.54 4525.69,3278.65 v1(4525.69,3330)
A51: FPC1.25 U13.A7 | length 712.1
  Top Layer w4.02: v1(4544.69,3317) 4544.69,3340 4822.38,3617.7 U13.A7@4822.38,3875.4
  Bottom Layer w4.02: v1(4544.69,3317) 4545.28,3316.41 FPC1.25@4545.28,3278.54
A52: FPC1.24 U13.C6 | length 774.8
  Top Layer w4.02: v1(4840.69,3923) 4840.69,3923.22 U13.C6@4851.91,3934.45
  Bottom Layer w5: FPC1.24@4564.95,3278.54 4564.95,3449.26 4840.69,3725 v1(4840.69,3923)
A53: FPC1.23 U13.B6 | length 737
  Top Layer w4.02: v1(4584.69,3317) 4584.69,3340 4836.69,3592 4836.69,3889.69 U13.B6@4851.91,3904.92
  Bottom Layer w4.02: FPC1.23@4584.69,3278.58 v1(4584.69,3317)
A54: FPC1.22 U13.A6 | length 699.4
  Top Layer w4.02: v1(4604.69,3330) 4851.91,3577.23 U13.A6@4851.91,3875.4
  Bottom Layer w4.02: FPC1.22@4604.32,3278.54 4604.69,3278.91 v1(4604.69,3330)
A55: FPC1.21 U13.C5 | length 762.7
  Top Layer w4.02: v1(4869.69,3923) 4869.98,3923 U13.C5@4881.43,3934.45
  Bottom Layer w5: FPC1.21@4624.02,3278.54 4624.02,3444.33 4869.69,3690 v1(4869.69,3923)
A56: FPC1.20 U13.B5 | length 724.9
  Top Layer w4.02: v1(4643.69,3330) 4643.69,3345 4866.69,3568 4866.69,3890.17 U13.B5@4881.43,3904.92
  Bottom Layer w4.02: FPC1.20@4643.69,3278.54 v1(4643.69,3330)
A57: FPC1.19 U13.A5 | length 687.2
  Top Layer w4.02: v1(4663.69,3317) 4663.69,3342 4881.43,3559.75 U13.A5@4881.43,3875.4
  Bottom Layer w4.02: FPC1.19@4663.39,3278.54 4663.39,3316.7 v1(4663.69,3317)
A58: FPC1.18 U13.C4 | length 750.5
  Top Layer w4.02: v1(4899.69,3923) 4899.69,3923.17 U13.C4@4910.96,3934.45 U13.C4@4910.96,3934.28
  Bottom Layer w5: FPC1.18@4683.06,3278.54 4683.06,3448.37 4899.69,3665 v1(4899.69,3923)
A59: FPC1.17 U13.B4 | length 712.7
  Top Layer w4.02: v1(4702.69,3317) 4702.69,3349 4895.69,3542 4895.69,3889.64 U13.B4@4910.96,3904.92
  Bottom Layer w4.02: v1(4702.69,3317) 4702.76,3316.93 FPC1.17@4702.76,3278.54
A60: FPC1.16 U13.A4 | length 675
  Top Layer w4.02: v1(4722.69,3330) 4722.69,3344 4910.96,3532.28 U13.A4@4910.96,3875.4
  Bottom Layer w4.02: FPC1.16@4722.43,3278.54 4722.43,3329.74 v1(4722.69,3330)
A61: FPC1.15 U13.C3 | length 738.7
  Top Layer w4.02: v1(4929.69,3923) 4929.69,3923.64 U13.C3@4940.49,3934.45 U13.C3@4940.49,3933.81
  Bottom Layer w5: FPC1.15@4742.13,3278.54 4742.13,3443.44 4929.69,3631 v1(4929.69,3923)
A62: FPC1.14 U13.B3 | length 700.5
  Top Layer w4.02: v1(4761.69,3317) 4761.69,3360 4925.69,3524 4925.69,3890.11 U13.B3@4940.49,3904.92
  Bottom Layer w4.02: v1(4761.69,3317) 4761.8,3316.89 FPC1.14@4761.8,3278.54
A63: FPC1.13 U13.A3 | length 662.7
  Top Layer w4.02: v1(4781.69,3330) 4781.69,3358 4940.49,3516.81 U13.A3@4940.49,3875.4
  Bottom Layer w4.02: FPC1.13@4781.5,3278.54 4781.5,3329.81 v1(4781.69,3330)
A64: FPC1.12 U13.B2 | length 696.3
  Top Layer w4.02: v1(4801.69,3317) 4801.69,3356 4955.69,3510 4955.69,3890.58 U13.B2@4970.02,3904.92
  Bottom Layer w4.02: FPC1.12@4801.19,3278.54 4801.19,3316.5 v1(4801.69,3317)
ADC123_INP10: C25.2 U15.F1 U18.1 U18.2 | length 1880.4
  Top Layer w4.02: U15.F1@6645.22,4006.3 6645.2,3989.53 6657,3977.73 v1(6657.02,3957.09)
  Inner1 w4.02: v2(5380.69,4383) 5393.7,4369.98 5414.41,4369.98 5471,4426.58 5933.6,4426.58 6403.09,3957.09 6510.49,3957.09 6529.58,3938 6637.93,3938 v1(6657.02,3957.09)
  Bottom Layer w4.02: C25.2@5221.37,4437.83 5221.37,4421.32 5259.69,4383 v2(5380.69,4383)
  Bottom Layer w10: U18.2@5185.29,4542.01 U18.1@5185.29,4492.01 5221.37,4455.93 C25.2@5221.37,4437.83
ADC123_INP11: C26.2 U15.F2 U18.6 U18.7 | length 1832.4
  Top Layer w4.02: v1(6637.34,3974.8) 6629.5,3982.63 6629.5,4022.03 U15.F2@6645.22,4037.79
  Inner1 w4.02: v1(5403.69,4388) 5408.7,4388.01 5459.12,4438.43 5938.5,4438.43 6402.13,3974.8 6514.41,3974.8 6537.21,3952 6623.69,3952 6637.34,3965.66 v1(6637.34,3974.8)
  Bottom Layer w5: C26.2@5361.72,4437.84 5362.43,4437.84 5403.69,4396.58 v1(5403.69,4388)
  Bottom Layer w10: C26.2@5361.72,4437.84 5361.72,4453.97 5332.69,4483 5332.69,4527 5347.69,4542.01 U18.7@5396.51,4542.01 U18.6@5396.51,4592.01
ADC123_INP16: C27.2 U15.G2 U19.6 U19.7 | length 3079.8
  Top Layer w4.02: U15.G2@6676.71,4037.79 6692.69,4021.82 v2(6692.69,3970)
  Bottom Layer w4.02: C27.2@4399.75,4438.67 4420.42,4418 4467.46,4418 4499.46,4450 5113.69,4450 5195.27,4368.42 5413.1,4368.42 5505.69,4461 5793.69,4461 5896.69,4358 6324.69,4358 6435.69,4247 6435.69,4127 6417.69,4109 6417.69,4016 6473.69,3960 6540.69,3960 6558.69,3942 6678.69,3942 6692.69,3956 v2(6692.69,3970)
  Bottom Layer w10: C27.2@4399.75,4438.67 4399.75,4452.81 4367.69,4484.88 4367.69,4525 4384.69,4542.01 U19.7@4433.93,4542.01 U19.6@4433.93,4592.01
ADC123_INP17: C28.2 U15.H2 U19.1 U19.2 | length 3183
  Top Layer w4.02: U15.H2@6708.48,4037.79 U15.H2@6708.21,4037.79 6724.69,4021.32 6724.69,3976 v2(6728.69,3972)
  Bottom Layer w4.02: C28.2@4259.44,4438.67 4259.44,4417.25 4289.69,4387 4486.69,4387 4521.69,4422 5087.69,4422 5175.69,4334 5394.69,4334 5499.35,4438.67 5799.02,4438.67 5890.69,4347 6318.69,4347 6424.69,4241 6424.69,4134 6405.69,4115 6405.69,4010 6468.62,3947.07 6536.62,3947.07 6552.69,3931 6692.69,3931 6728.69,3967 v2(6728.69,3972)
  Bottom Layer w10: U19.2@4222.71,4542.01 U19.1@4222.71,4492.01 4259.44,4455.28 C28.2@4259.44,4438.67
AGND: C25.1 C26.1 C27.1 C28.1 C36.2 C38.2 C50.2 C51.2 R22.2 U15.G1 U18.4 U19.4 | length 4409.4
  Top Layer w4.02: U15.G1@6676.71,4006.3 6676.72,3959.62 6683.34,3953 6700.69,3953 6719.09,3934.59 6798.18,3934.59 v2(6824.77,3908) 6926.69,3908 6943.78,3925.1 C38.2@6943.78,3957.54 C36.2@6898.09,3957.54
  Top Layer w10: v2@4330.69,4439 4341.12,4439 C50.2@4394.35,4492.24 ; v2(5265.69,4598) 5267.5,4599.82 C51.2@5421.39,4599.82
  Inner1 w19.68: v2@5291.69,4437 5291.69,4408 5347.69,4352 v2(5376.69,4352) 5425.69,4352 5476.69,4403 5924.69,4403 6439.51,3888.18 6439.51,3846.18 6494.69,3791 6787.69,3791 6824.77,3828.09 v2(6824.77,3908)
  Bottom Layer w10: U19.4@4222.71,4642.01 4266.68,4642.01 4302.35,4606.34 C28.1@4302.35,4438.67 v2(4330.31,4438.67) C27.1@4356.84,4438.67 4392.51,4403 4476.69,4403 4509.69,4436 5099.69,4436 5183.69,4352 v2(5376.69,4352) ; U18.4@5185.29,4642.01 5221.68,4642.01 v2(5265.69,4598) 5264.69,4597 5264.69,4438.23 C25.1@5264.28,4437.83 v2(5291.62,4437.83) C26.1@5318.81,4437.84
  Bottom Layer w19.68: R22.2@6268.69,4110.15 6269.69,4109.16 v2(6269.69,4057)
B1: FPC1.11 U14.L11 | length 1384.8
  Top Layer w4.02: v1(5662.69,4181.93) 5662.95,4181.93 U14.L11@5674.36,4170.52
  Bottom Layer w4.02: FPC1.11@4820.87,3278.54 4820.69,3278.73 4820.69,3436 5617.69,4233 5641.69,4233 5662.69,4212 v1(5662.69,4181.93)
B2: FPC1.10 U14.M11 | length 1539.9
  Top Layer w4.02: v1(4840.69,3330) 4840.69,3351 5200.69,3711 5200.69,4007 5468.62,4274.93 5658.82,4274.93 5688.69,4245.07 5688.69,4214.55 U14.M11@5674.27,4200.14
  Bottom Layer w4.02: FPC1.10@4840.56,3278.54 4840.56,3329.87 v1(4840.69,3330)
B3: FPC1.9 U14.N11 | length 1447
  Top Layer w4.02: v1(4859.69,3317) 4859.69,3347 5216.69,3704 5216.69,3998 5479.62,4260.93 5643.01,4260.93 U14.N11@5674.27,4229.67
  Bottom Layer w4.02: v1(4859.69,3317) 4860.24,3316.45 FPC1.9@4860.24,3278.54
B4: FPC1.8 U14.M12 | length 1262.4
  Top Layer w4.02: v1(5632.69,4211.93) 5632.95,4211.93 5644.74,4200.14 U14.M12@5644.48,4200.14
  Bottom Layer w4.02: FPC1.8@4879.93,3278.54 4879.93,3459.18 v1(5632.69,4211.93)
B5: FPC1.7 U14.N12 | length 1375.9
  Top Layer w4.02: v1(4899.69,3317) 4899.69,3346 5233.69,3680 5233.69,3991 5490.62,4247.93 5626.48,4247.93 U14.N12@5644.74,4229.67
  Bottom Layer w4.02: FPC1.7@4899.61,3278.54 4899.61,3316.92 v1(4899.69,3317)
B6: FPC1.6 U14.N13 | length 1310.8
  Top Layer w4.02: v1(4919.69,3330) 4919.69,3345 5251.69,3677 5251.69,3988 5493.35,4229.67 U14.N13@5615.21,4229.67
  Bottom Layer w4.02: FPC1.6@4919.3,3278.54 4919.3,3329.61 v1(4919.69,3330)
B7: FPC1.5 U14.M13 | length 1275.4
  Top Layer w4.02: v1(4938.69,3317) 4938.69,3345 5268.69,3675 5268.69,3979 5489.82,4200.14 U14.M13@5615.21,4200.14
  Bottom Layer w4.02: v1(4938.69,3317) 4938.98,3316.71 FPC1.5@4938.98,3278.54
B8: FPC1.4 U14.L12 | length 1282.9
  Top Layer w4.02: v1(4958.69,3330) 4958.69,3345 5286.69,3673 5286.69,3973 5499.62,4185.93 5629.42,4185.93 U14.L12@5644.74,4170.61
  Bottom Layer w4.02: FPC1.4@4958.67,3278.54 v1(4958.69,3330)
B9: FPC1.3 U14.L13 | length 1219.7
  Top Layer w4.02: v1(4978.69,3317) 4978.69,3346 5303.69,3671 5303.69,3968 5506.29,4170.61 U14.L13@5615.21,4170.61
  Bottom Layer w4.02: FPC1.3@4978.35,3278.54 4978.35,3316.66 v1(4978.69,3317)
B10: FPC1.2 U14.K11 | length 1191.2
  Top Layer w4.02: v1(5662.69,4152.93) 5662.69,4152.67 U14.K11@5674.27,4141.08
  Bottom Layer w4.02: FPC1.2@4998.04,3278.54 4998.05,3530.8 5620.18,4152.93 v1(5662.69,4152.93)